# Altium PCB CSU RevB_ASCII.PcbDoc (part 1 of 5) (continued)
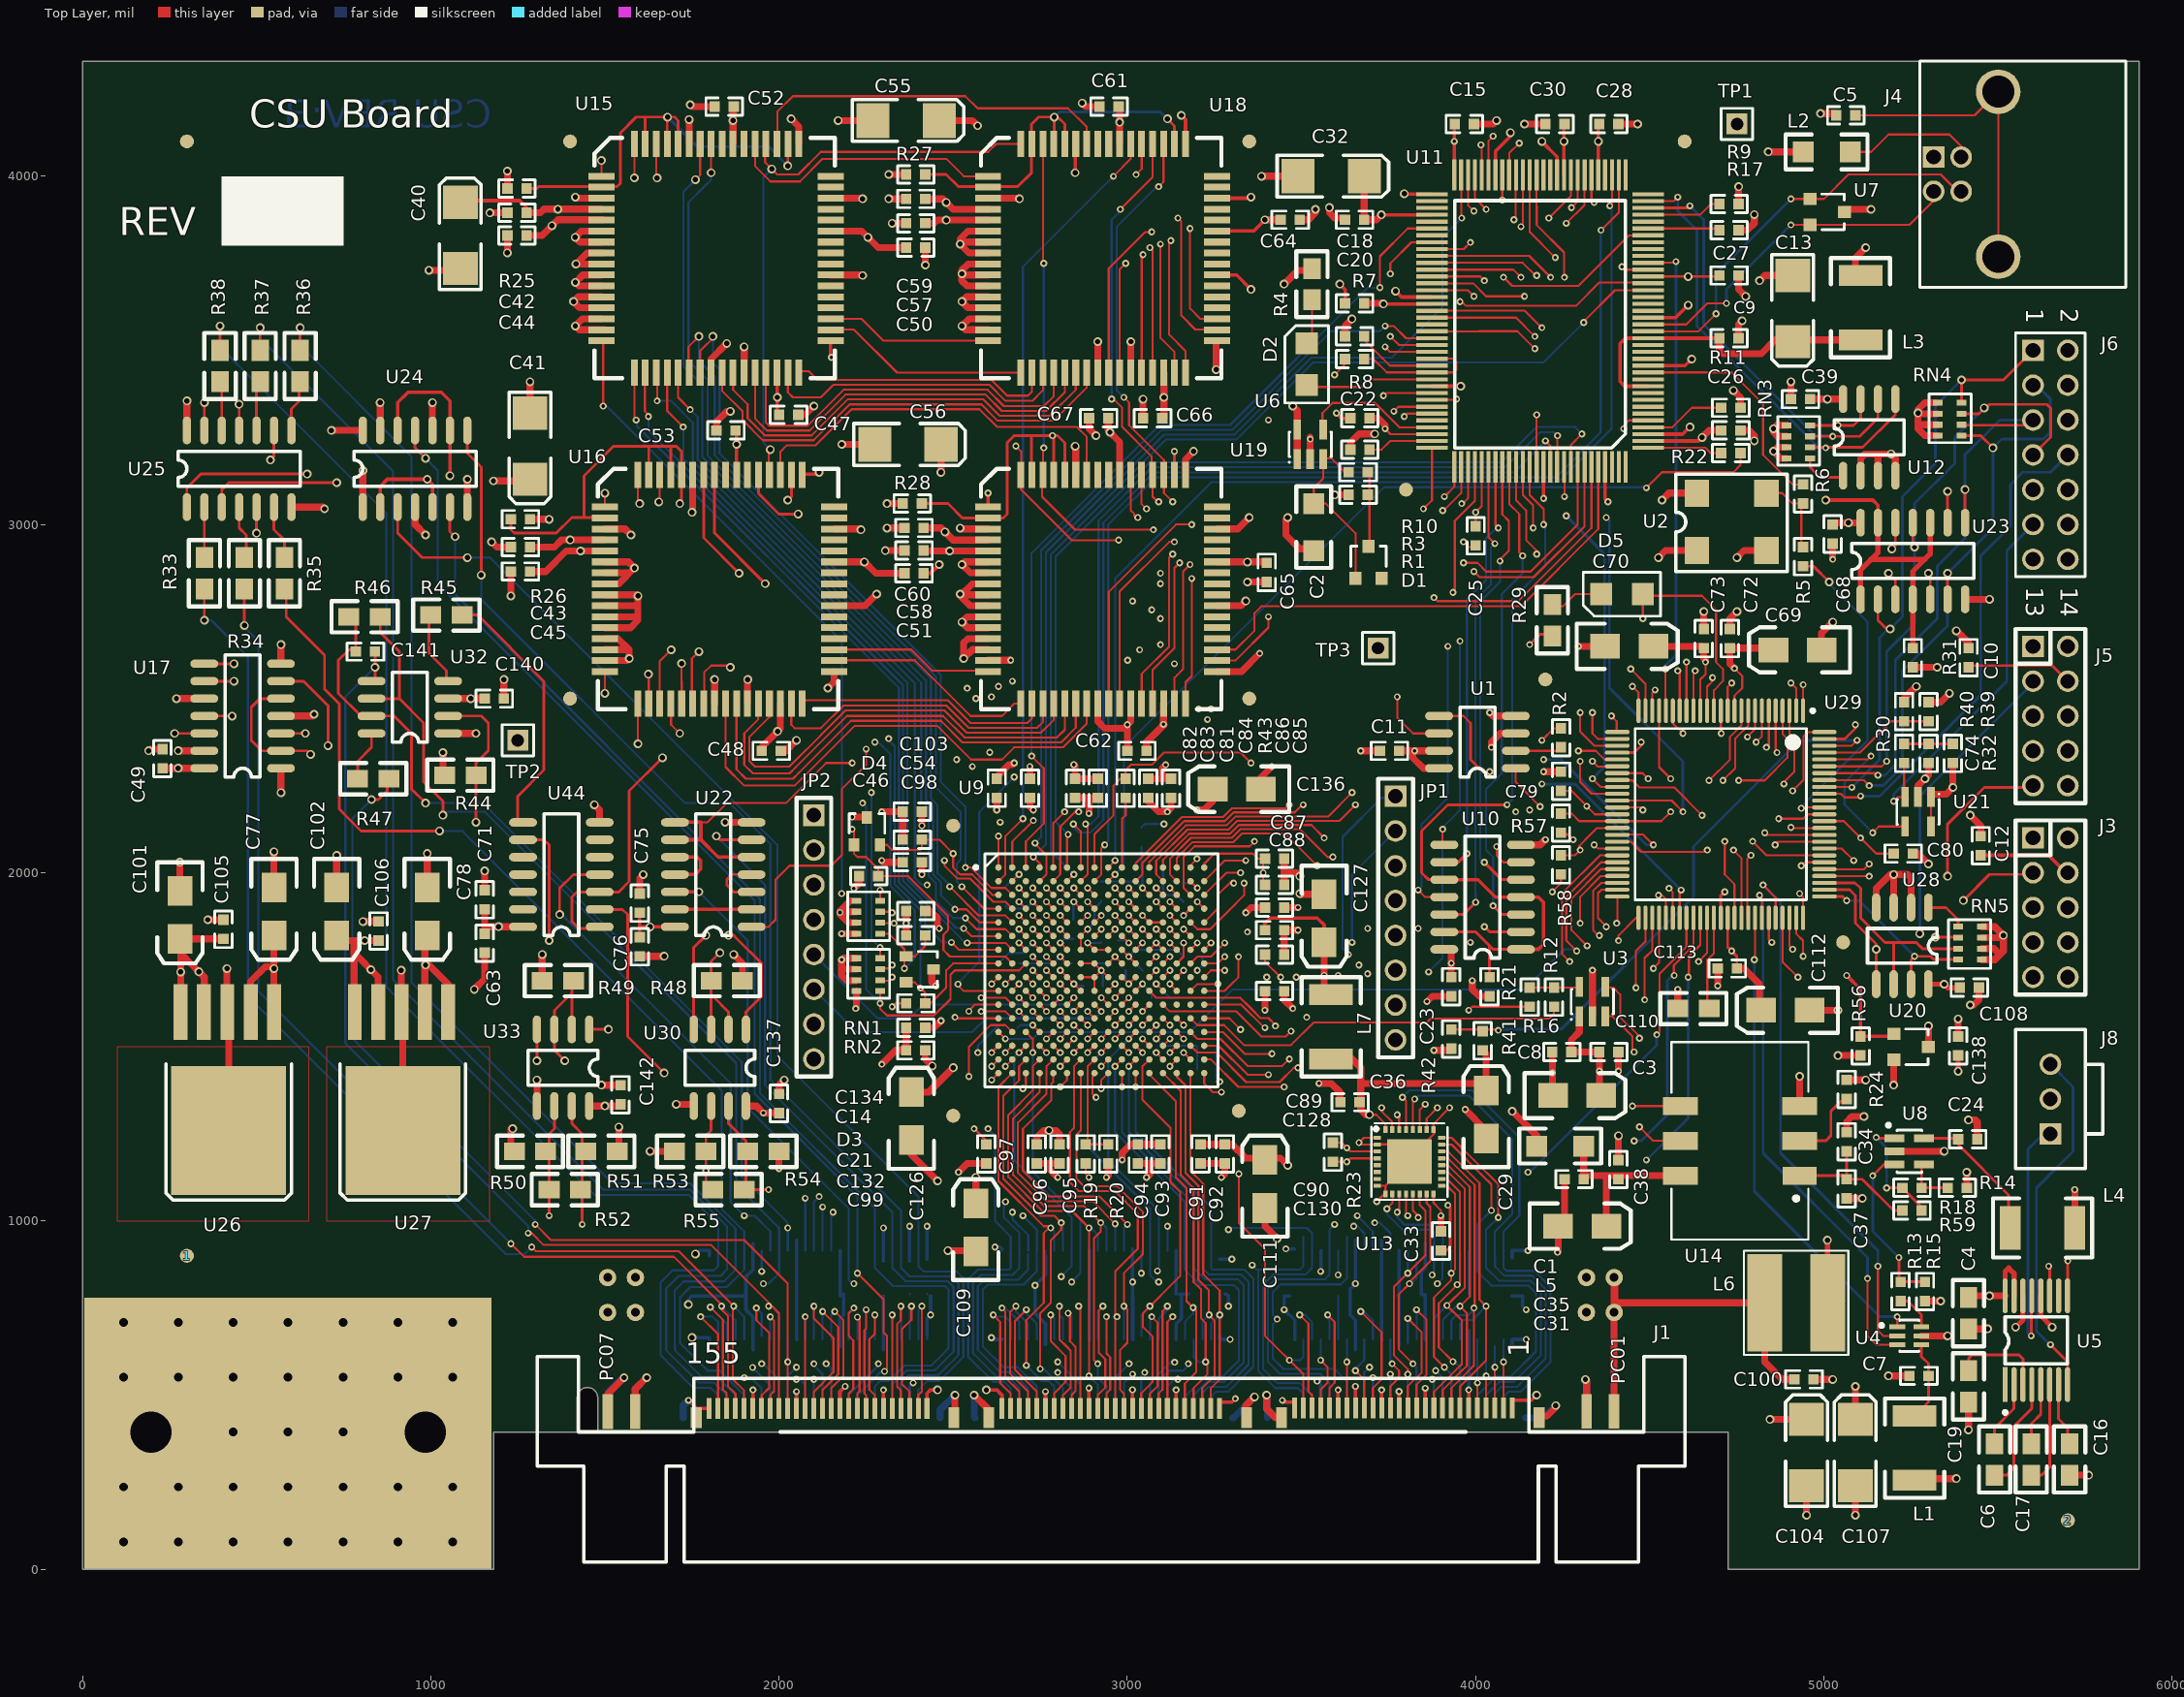
[diagram p0: Top Layer view]
## Components (designator, comment, footprint, x,y, rotation, side; value= is the part's Value field where it differs from the comment) (continued)
R20 "330R" 0603 2945,1165 r90 top
R21 "10K" 0603 4040,1700 r270 top
R22 "22R" 0603 4705,3205 r0 top
R23 "100R" 0603 3590,1170 r90 top
R24 "22R" 0603 5065,1405 r270 top
R25 "3K" 0603 1275,3965 r180 top
R26 "3K" 0603 1230,3015 r0 top
R27 "3K" 0603 2365,4005 r0 top
R28 "3K" 0603 2410,3060 r180 top
R29 "390R" 0805 4220,2770 r270 top
R30 "1K" 0603 5230,2315 r90 top
R31 "10K" 0603 5255,2645 r270 top
R32 "100K" 0603 5370,2315 r90 top
R33 "330R" 0805 350,2815 r90 top
R34 "330R" 0805 465,2815 r90 top
R35 "330R" 0805 580,2815 r90 top
R36 "330R" 0805 625,3500 r270 top
R37 "330R" 0805 510,3500 r270 top
R38 "330R" 0805 395,3500 r270 top
R39 "1K02" 0603 5300,2490 r270 top
R40 "1K78" 0603 5230,2435 r90 top
R41 "1K10" 0603 4020,1545 r270 top
R42 "1K02" 0603 3930,1495 r90 top
R43 "22R" 0603 2995,2215 r90 top
R44 "1K0" 0805 1130,2280 r180 top
R45 "150R" 0805 1000,2740 r0 top
R46 "1k0" 0805 855,2735 r180 top
R47 "150R" 0805 880,2270 r180 top
R48 "1K" 0805 1895,1690 r180 top
R49 "1K" 0805 1320,1690 r0 top
R50 "3K0" 0805 1240,1200 r0 top
R51 "3K0" 0805 1445,1200 r0 top
R52 "121R" 0805 1430,1090 r180 top
R53 "3K0" 0805 1700,1200 r0 top
R54 "3K0" 0805 1910,1200 r0 top
R55 "121R" 0805 1900,1090 r180 top
R56 "1K5" 0603 5105,1530 r270 top
R57 "1K5" 0603 4245,2170 r270 top
R58 "1K5" 0603 4245,2050 r270 top
R59 "1K" 0603 5280,1030 r180 top
RN1 "10K" EXB-38VN 2290,1825 r90 top
RN2 "1K" EXB-38VN 2290,1660 r90 top
RN3 "1K" EXB-38Vn 4960,3190 r90 top
RN4 "10K" EXB-38Vn 5395,3255 r90 top
RN5 "1K" EXB-38Vn 5385,1845 r270 top
TP1 "Test point" CON1 4750,4150 r0 top (schematic designator JP1)
TP2 "CON1" CON1 1250,2380 r0 top (schematic designator JP1)
TP3 "Test point" CON1 3720,2645 r0 top (schematic designator JP1)
U1 "EPCS4SI8" SO-8 4115,2300 r180 top (schematic designator U29)
U2 "24MHz, SMT 3.3V" SMT 4635,2925 r0 top (schematic designator U14)
U3 "FIN1002M5" RJ-5 4335,1630 r0 top
U4 "LTC2630A_LM12" SC-70 5245,670 r270 top
U5 "MAX3226ECAE(16-SSOP)" SSOP-16 5520,530 r180 top
U6 "TPS3836K33DBVT" RJ-5 3525,3230 r0 top
U7 "PGB102ST323WR" SOT23 4960,3935 r0 top (schematic designator U12)
U8 "LT6003CS5" RJ-5 5245,1200 r270 top
U9 "EP3C16F256C6" FBGA256-2C 2630,2015 r0 top locked
U10 "74ALVC125-DC" SO-14 4130,1780 r180 top (schematic designator U7)
U11 "CY7C68013A-128AXC" TQFP-128 4495,3220 r180 top
U12 "INA122" SO-8 5055,3140 r90 top (schematic designator U29)
U13 "CDCLVD110ARHBT" S-PVQFN-G32 3810,1170 r0 top (schematic designator U6)
U14 "C5310-D105-SV033-RFL-A1-100" G218B 4930,1130 r90 top
U15 "IDT72V2111L15PF" "TQFP 64" 1490,4000 r0 top (schematic designator U7)
U16 "72V2105" "TQFP 64" 1500,3050 r0 top (schematic designator U7)
U17 "74ALVC125-DC" SO-14 570,2300 r180 top (schematic designator U7)
U18 "IDT72V2111L15PF" "TQFP 64" 2600,4000 r0 top (schematic designator U7)
U19 "72V2105" "TQFP 64" 2600,3050 r0 top (schematic designator U7)
U20 "DS2411R" SOT-23 5250,1500 r270 top
U21 "TPS3836K33DBVT" RJ-5 5270,2175 r180 top
U22 "SN74LVC02A" SO-14 1921.14,1844.57 r180 top (schematic designator U7)
U23 "MC74HC125A" SO-14 5105,2785 r90 top (schematic designator U7)
U24 "74ALVC125-DC" SO-14 805,3050 r90 top (schematic designator U7)
U25 "74ALVC125-DC" SO-14 300,3050 r90 top (schematic designator U7)
U26 "LT1963AEQ#PBF" DDPAK5 550,1600 r180 top (schematic designator U6)
U27 "LT1963AEQ-2.5#PBF" DDPAK5 1050,1600 r180 top (schematic designator U6)
U28 "INA122" SO-8 5300,1900 r270 top (schematic designator U29)
U29 "MSP430F5438" S-PQFP-G100 4940,2465 r0 top
U30 "SN65HVD08" SO-8 1905,1550 r270 top (schematic designator U29)
U32 "INA122" SO-8 1050,2400 r180 top (schematic designator U29)
U33 "INA122" SO-8 1455,1550 r270 top (schematic designator U29)
U44 "74ALVC125-DC" SO-14 1484.96,1844.57 r180 top (schematic designator U7)
? "" fid 300,4100 r0 top

## Footprints (in the part's own frame and the unit in brackets; to place one, negate y for a bottom-side part, rotate by r counter-clockwise, add the part's x,y. Pads: shape width x height; smd on the part's side, far side on the other; paste and mask are expansions set on the pad)
0603 [mil]
  rect 30x30 smd: 1(0,-0.01) 2(55,-0.01)
  silkscreen extent -25,-25 80,25
0805 [mil]
  rect 60x50 smd: 1(0,0) 2(90,0)
  silkscreen extent -50,-45 140,45
1206 [mil]
  rect 60x60 smd: 1(0,0) 2(135,0)
  silkscreen extent -50,-50 185,50
1812 [mil]
  rect 60x125 smd: 1(0.12,-0.04) 2(185.12,-0.04)
  silkscreen extent -50,-85 235,85
B-Size [mil]
  rect 95x100 smd: 1(0,0) 2(190,0)
  silkscreen extent -70,-60 250,60
BAT54C-V [mil]
  rect 30x37 smd: 1(0,0) 2(74.8,0) 3(37.4,78.74)
  silkscreen extent -14,34 89,90
CON1 [mil]
  rect 60x60 hole 36: 1(0,0)
  silkscreen extent -45,-45 45,45
DDPAK5 [mil]
  rect 40x160 smd: 1(0,-0.29) 2(67,-0.29) 3(134,-0.29) 4(201,-0.29) 5(268,-0.29)
  rect 330x370 smd: ""(130,339.72)
  silkscreen extent -50,150 310,540
EXB-38VN [mil]
  rect 17x28 smd: 1(0,-0.01) 2(31.5,-0.01) 3(62.99,-0.01) 4(94.49,-0.01) 5(94.49,68) 6(62.99,68) 7(31.5,68) 8(0,68)
  silkscreen extent -20,-28 120,93
EXB-38Vn [mil]
  rect 17x28 smd: 1(0,-0.01) 2(31.5,-0.01) 3(62.99,-0.01) 4(94.49,-0.01) 5(94.49,68) 6(62.99,68) 7(31.5,68) 8(0,68)
  silkscreen extent -20,-28 120,93
FBGA256-2C [mm] "256-Ball FineLine Ball Grid Array (FBGA256) - Option 1"
  round 0.47 smd: A1(0,0) A2(1,0) A3(2,0) A4(3,0) A5(4,0) A6(5,0) A7(6,0) A8(7,0) A9(8,0) A10(9,0) A11(10,0) A12(11,0) A13(12,0) A14(13,0) A15(14,0) A16(15,0) B1(0,-1) B2(1,-1) B3(2,-1) B4(3,-1) B5(4,-1) B6(5,-1) B7(6,-1) B8(7,-1) B9(8,-1) B10(9,-1) B11(10,-1) B12(11,-1) B13(12,-1) B14(13,-1) B15(14,-1) B16(15,-1) C1(0,-2) C2(1,-2) C3(2,-2) C4(3,-2) C5(4,-2) C6(5,-2) C7(6,-2) C8(7,-2) C9(8,-2) C10(9,-2) C11(10,-2) C12(11,-2) C13(12,-2) C14(13,-2) C15(14,-2) C16(15,-2) D1(0,-3) D2(1,-3) D3(2,-3) D4(3,-3) D5(4,-3) D6(5,-3) D7(6,-3) D8(7,-3) D9(8,-3) D10(9,-3) D11(10,-3) D12(11,-3) D13(12,-3) D14(13,-3) D15(14,-3) D16(15,-3) E1(0,-4) E2(1,-4) E3(2,-4) E4(3,-4) E5(4,-4) E6(5,-4) E7(6,-4) E8(7,-4) E9(8,-4) E10(9,-4) E11(10,-4) E12(11,-4) E13(12,-4) E14(13,-4) E15(14,-4) E16(15,-4) F1(0,-5) F2(1,-5) F3(2,-5) F4(3,-5) F5(4,-5) F6(5,-5) F7(6,-5) F8(7,-5) F9(8,-5) F10(9,-5) F11(10,-5) F12(11,-5) F13(12,-5) F14(13,-5) F15(14,-5) F16(15,-5) G1(0,-6) G2(1,-6) G3(2,-6) G4(3,-6) G5(4,-6) G6(5,-6) G7(6,-6) G8(7,-6) G9(8,-6) G10(9,-6) G11(10,-6) G12(11,-6) G13(12,-6) G14(13,-6) G15(14,-6) G16(15,-6) H1(0,-7) H2(1,-7) H3(2,-7) H4(3,-7) H5(4,-7) H6(5,-7) H7(6,-7) H8(7,-7) H9(8,-7) H10(9,-7) H11(10,-7) H12(11,-7) H13(12,-7) H14(13,-7) H15(14,-7) H16(15,-7) J1(0,-8) J2(1,-8) J3(2,-8) J4(3,-8) J5(4,-8) J6(5,-8) J7(6,-8) J8(7,-8) J9(8,-8) J10(9,-8) J11(10,-8) J12(11,-8) J13(12,-8) J14(13,-8) J15(14,-8) J16(15,-8) K1(0,-9) K2(1,-9) K3(2,-9) K4(3,-9) K5(4,-9) K6(5,-9) K7(6,-9) K8(7,-9) K9(8,-9) K10(9,-9) K11(10,-9) K12(11,-9) K13(12,-9) K14(13,-9) K15(14,-9) K16(15,-9) L1(0,-10) L2(1,-10) L3(2,-10) L4(3,-10) L5(4,-10) L6(5,-10) L7(6,-10) L8(7,-10) L9(8,-10) L10(9,-10) L11(10,-10) L12(11,-10) L13(12,-10) L14(13,-10) L15(14,-10) L16(15,-10) M1(0,-11) M2(1,-11) M3(2,-11) M4(3,-11) M5(4,-11) M6(5,-11) M7(6,-11) M8(7,-11) M9(8,-11) M10(9,-11) M11(10,-11) M12(11,-11) M13(12,-11) M14(13,-11) M15(14,-11) M16(15,-11) N1(0,-12) N2(1,-12) N3(2,-12) N4(3,-12) N5(4,-12) N6(5,-12) N7(6,-12) N8(7,-12) N9(8,-12) N10(9,-12) N11(10,-12) N12(11,-12) N13(12,-12) N14(13,-12) N15(14,-12) N16(15,-12) P1(0,-13) P2(1,-13) P3(2,-13) P4(3,-13) P5(4,-13) P6(5,-13) P7(6,-13) P8(7,-13) P9(8,-13) P10(9,-13) P11(10,-13) P12(11,-13) P13(12,-13) P14(13,-13) P15(14,-13) P16(15,-13) R1(0,-14) R2(1,-14) R3(2,-14) R4(3,-14) R5(4,-14) R6(5,-14) R7(6,-14) R8(7,-14) R9(8,-14) R10(9,-14) R11(10,-14) R12(11,-14) R13(12,-14) R14(13,-14) R15(14,-14) R16(15,-14) T1(0,-15) T2(1,-15) T3(2,-15) T4(3,-15) T5(4,-15) T6(5,-15) T7(6,-15) T8(7,-15) T9(8,-15) T10(9,-15) T11(10,-15) T12(11,-15) T13(12,-15) T14(13,-15) T15(14,-15) T16(15,-15)
  silkscreen extent -1.77,-16 16,1
fid [mil]
  round 40 smd: ""(0,0)
G218B [mil]
  rect 51.18x98.43 smd: 1(0,0)
  rect 52x100 smd: 2(100,0) 3(200,0) 4(200,342.52) 5(100,342.52) 6(0,342.52)
  silkscreen extent -183,-26 383,368
HDR2X7 [mil] "Connector; Header; 7x2 Position"
  rect 62x62 hole 42: 1(0,0)
  round 62 hole 42: 2(0,100) 3(100,0) 4(100,100) 5(200,0) 6(200,100) 7(300,0) 8(300,100) 9(400,0) 10(400,100) 11(500,0) 12(500,100) 13(600,0) 14(600,100)
  silkscreen extent -50,-50 650,150
HEADER5X2 [mil]
  rect 62x62 hole 42: 1(0,0)
  round 62 hole 42: 2(0,100) 3(100,0) 4(100,100) 5(200,0) 6(200,100) 7(300,0) 8(300,100) 9(400,0) 10(400,100)
  silkscreen extent -50,-50 450,150
HEADER8X1 [mil]
  rect 62x62 hole 42: 1(0,0)
  round 62 hole 42: 2(-100,0) 3(-200,0) 4(-300,0) 5(-400,0) 6(-500,0) 7(-600,0) 8(-700,0)
  silkscreen extent -750,-50 50,50
"LED J-LEAD" [mm]
  rect 1.6x1.6 smd: A(0,0) K(3.04,0)
  silkscreen extent -1.3,-1.6 4.34,1.6
"Molex 70543-0002" [mil]
  rect 62x62 hole 42: 1(0,0)
  round 62 hole 42: 2(0,-100) 3(0,-200)
  silkscreen extent -150,-300 100,100
MSS7341 [mil]
  rect 280x100 smd: 1(0,0) 2(0,-181)
  silkscreen extent -150,-240 150,60
"QMS EDGE PWR PINS" [mil] "78 pos (156 pin) + 8 pwr pins"
  rect 60x14 smd: 1(69.15,-1152.45) 3(69.15,-1127.45) 5(69.15,-1102.45) 7(69.15,-1077.45) 9(69.15,-1052.45) 11(69.15,-1027.45) 13(69.15,-1002.45) 15(69.15,-977.45) 17(69.15,-952.45) 19(69.15,-927.45) 21(69.15,-902.45) 23(69.15,-877.45) 25(69.15,-852.45) 27(69.15,-827.45) 29(69.15,-802.45) 31(69.15,-777.45) 33(69.15,-752.45) 35(69.15,-727.45) 37(69.15,-702.45) 39(69.15,-677.45) 41(69.15,-652.45) 43(69.15,-627.45) 45(69.15,-602.45) 47(69.15,-577.45) 49(69.15,-552.45) 51(69.15,-527.45) 53(68.09,-312.11) 55(68.09,-287.11) 57(68.09,-262.11) 59(68.09,-237.11) 61(68.09,-212.11) 63(68.09,-187.11) 65(68.09,-162.11) 67(68.09,-137.11) 69(68.09,-112.11) 71(68.09,-87.11) 73(68.09,-62.11) 75(68.09,-37.11) 77(68.09,-12.11) 79(68.09,12.89) 81(68.09,37.89) 83(68.09,62.89) 85(68.09,87.89) 87(68.09,112.89) 89(68.09,137.89) 91(68.09,162.89) 93(68.09,187.89) 95(68.09,212.89) 97(68.09,237.89) 99(68.09,262.89) 101(68.09,287.89) 103(68.09,312.89) 105(68.09,528.05) 107(68.09,553.05) 109(68.09,578.05) 111(68.09,603.05) 113(68.09,628.05) 115(68.09,653.05) 117(68.09,678.05) 119(68.09,703.05) 121(68.09,728.05) 123(68.09,753.05) 125(68.09,778.05) 127(68.09,803.05) 129(68.09,828.05) 131(68.09,853.05) 133(68.09,878.05) 135(68.09,903.05) 137(68.09,928.05) 139(68.09,953.05) 141(68.09,978.05) 143(68.09,1003.05) 145(68.09,1028.05) 147(68.09,1053.05) 149(68.09,1078.05) 151(68.09,1103.05) 153(68.09,1128.05) 155(68.09,1153.05)
  rect 60x14 smd far side: 2(69.15,-1152.45) 4(69.15,-1127.45) 6(69.15,-1102.45) 8(69.15,-1077.45) 10(69.15,-1052.45) 12(69.15,-1027.45) 14(69.15,-1002.45) 16(69.15,-977.45) 18(69.15,-952.45) 20(69.15,-927.45) 22(69.15,-902.45) 24(69.15,-877.45) 26(69.15,-852.45) 28(69.15,-827.45) 30(69.15,-802.45) 32(69.15,-777.45) 34(69.15,-752.45) 36(69.15,-727.45) 38(69.15,-702.45) 40(69.15,-677.45) 42(69.15,-652.45) 44(69.15,-627.45) 46(69.15,-602.45) 48(69.15,-577.45) 50(69.15,-552.45) 52(69.15,-527.45) 54(68.09,-312.11) 56(68.09,-287.11) 58(68.09,-262.11) 60(68.09,-237.11) 62(68.09,-212.11) 64(68.09,-187.11) 66(68.09,-162.11) 68(68.09,-137.11) 70(68.09,-112.11) 72(68.09,-87.11) 74(68.09,-62.11) 76(68.09,-37.11) 78(68.09,-12.11) 80(68.09,12.89) 82(68.09,37.89) 84(68.09,62.89) 86(68.09,87.89) 88(68.09,112.89) 90(68.09,137.89) 92(68.09,162.89) 94(68.09,187.89) 96(68.09,212.89) 98(68.09,237.89) 100(68.09,262.89) 102(68.09,287.89) 104(68.09,312.89) 106(68.09,528.05) 108(68.09,553.05) 110(68.09,578.05) 112(68.09,603.05) 114(68.09,628.05) 116(68.09,653.05) 118(68.09,678.05) 120(68.09,703.05) 122(68.09,728.05) 124(68.09,753.05) 126(68.09,778.05) 128(68.09,803.05) 130(68.09,828.05) 132(68.09,853.05) 134(68.09,878.05) 136(68.09,903.05) 138(68.09,928.05) 140(68.09,953.05) 142(68.09,978.05) 144(68.09,1003.05) 146(68.09,1028.05) 148(68.09,1053.05) 150(68.09,1078.05) 152(68.09,1103.05) 154(68.09,1128.05) 156(68.09,1153.05)
  rect 60x31 smd far side: 157(41.09,1230.55) 158(41.09,490.55) 159(41.09,390.55) 160(41.09,-349.45) 161(41.09,-449.45) 162(41.09,-1189.45)
  rect 60x31 smd: 157(41.09,1190.55) 158(41.09,450.55) 159(41.09,350.55) 161(41.09,-489.45) 162(41.09,-1229.45) 163(41.09,-389.45)
  rect 100x30 smd: PC01(59.65,-1444.45) PC03(59.65,-1365.55) PC05(59.15,1365.55) PC07(59.15,1444.45)
  rect 100x30 smd far side: PC02(59.65,-1444.45) PC04(59.65,-1365.55) PC06(59.15,1365.55) PC08(59.15,1444.45)
  silkscreen extent -373,-1649 217,1647
"QMS SMD PWR PINS" [mm] "78 pos (156 pin) + 8 pwr pins"
  rect 0.4x2.15 smd: 1(-29.28,-3.24) 2(-29.28,3.24) 3(-28.645,-3.24) 4(-28.645,3.24) 5(-28.01,-3.24) 6(-28.01,3.24) 7(-27.375,-3.24) 8(-27.375,3.24) 9(-26.74,-3.24) 10(-26.74,3.24) 11(-26.105,-3.24) 12(-26.105,3.24) 13(-25.47,-3.24) 14(-25.47,3.24) 15(-24.835,-3.24) 16(-24.835,3.24) 17(-24.2,-3.24) 18(-24.2,3.24) 19(-23.565,-3.24) 20(-23.565,3.24) 21(-22.93,-3.24) 22(-22.93,3.24) 23(-22.295,-3.24) 24(-22.295,3.24) 25(-21.66,-3.24) 26(-21.66,3.24) 27(-21.025,-3.24) 28(-21.025,3.24) 29(-20.39,-3.24) 30(-20.39,3.24) 31(-19.755,-3.24) 32(-19.755,3.24) 33(-19.12,-3.24) 34(-19.12,3.24) 35(-18.485,-3.24) 36(-18.485,3.24) 37(-17.85,-3.24) 38(-17.85,3.24) 39(-17.215,-3.24) 40(-17.215,3.24) 41(-16.58,-3.24) 42(-16.58,3.24) 43(-15.945,-3.24) 44(-15.945,3.24) 45(-15.31,-3.24) 46(-15.31,3.24) 47(-14.675,-3.24) 48(-14.675,3.24) 49(-14.04,-3.24) 50(-14.04,3.24) 51(-13.405,-3.24) 52(-13.405,3.24) 53(-7.94,-3.24) 54(-7.94,3.24) 55(-7.305,-3.24) 56(-7.305,3.24) 57(-6.67,-3.24) 58(-6.67,3.24) 59(-6.035,-3.24) 60(-6.035,3.24) 61(-5.4,-3.24) 62(-5.4,3.24) 63(-4.765,-3.24) 64(-4.765,3.24) 65(-4.13,-3.24) 66(-4.13,3.24) 67(-3.495,-3.24) 68(-3.495,3.24) 69(-2.86,-3.24) 70(-2.86,3.24) 71(-2.225,-3.24) 72(-2.225,3.24) 73(-1.59,-3.24) 74(-1.59,3.24) 75(-0.955,-3.24) 76(-0.955,3.24) 77(-0.32,-3.24) 78(-0.32,3.24) 79(0.315,-3.24) 80(0.315,3.24) 81(0.95,-3.24) 82(0.95,3.24) 83(1.585,-3.24) 84(1.585,3.24) 85(2.22,-3.24) 86(2.22,3.24) 87(2.855,-3.24) 88(2.855,3.24) 89(3.49,-3.24) 90(3.49,3.24) 91(4.125,-3.24) 92(4.125,3.24) 93(4.76,-3.24) 94(4.76,3.24) 95(5.395,-3.24) 96(5.395,3.24) 97(6.03,-3.24) 98(6.03,3.24) 99(6.665,-3.24) 100(6.665,3.24) 101(7.3,-3.24) 102(7.3,3.24) 103(7.935,-3.24) 104(7.935,3.24) 105(13.4,-3.24) 106(13.4,3.24) 107(14.035,-3.24) 108(14.035,3.24) 109(14.67,-3.24) 110(14.67,3.24) 111(15.305,-3.24) 112(15.305,3.24) 113(15.94,-3.24) 114(15.94,3.24) 115(16.575,-3.24) 116(16.575,3.24) 117(17.21,-3.24) 118(17.21,3.24) 119(17.845,-3.24) 120(17.845,3.24) 121(18.48,-3.24) 122(18.48,3.24) 123(19.115,-3.24) 124(19.115,3.24) 125(19.75,-3.24) 126(19.75,3.24) 127(20.385,-3.24) 128(20.385,3.24) 129(21.02,-3.24) 130(21.02,3.24) 131(21.655,-3.24) 132(21.655,3.24) 133(22.29,-3.24) 134(22.29,3.24) 135(22.925,-3.24) 136(22.925,3.24) 137(23.56,-3.24) 138(23.56,3.24) 139(24.195,-3.24) 140(24.195,3.24) 141(24.83,-3.24) 142(24.83,3.24) 143(25.465,-3.24) 144(25.465,3.24) 145(26.1,-3.24) 146(26.1,3.24) 147(26.735,-3.24) 148(26.735,3.24) 149(27.37,-3.24) 150(27.37,3.24) 151(28.005,-3.24) 152(28.005,3.24) 153(28.64,-3.24) 154(28.64,3.24) 155(29.275,-3.24) 156(29.275,3.24)
  rect 17.958x0.5 smd: 157(-21.34,0) 158(0,0) 159(21.34,0)
  round 1.27 hole 0.635: PC01(-36.703,-1.27) PC02(-36.703,1.27) PC03(-34.671,-1.27) PC04(-34.684,1.27) PC05(34.671,-1.27) PC06(34.671,1.27) PC07(36.703,-1.27) PC08(36.703,1.27)
  silkscreen extent -38.16,-4.65 38.15,4.32
RJ-5 [mm] "SOT-23/SC-74A; 5 Leads; Body 3.1 x 3 mm, inc. leads (LxW max)"
  rect 0.55x1.45 smd: 1(-0.95,-1.075) 2(0,-1.075) 3(0.95,-1.075) 4(0.95,1.075) 5(-0.95,1.075)
  silkscreen extent -1.57,-1.35 1.55,0.9
S-PQFP-G100 [mm]
  oval 0.3x1.8 smd: 1(0,0) 2(-0.5,0) 3(-1,0) 4(-1.5,0) 5(-2,0) 6(-2.5,0) 7(-3,0) 8(-3.5,0) 9(-4,0) 10(-4.5,0) 11(-5,0) 12(-5.5,0) 13(-6,0) 14(-6.5,0) 15(-7,0) 16(-7.5,0) 17(-8,0) 18(-8.5,0) 19(-9,0) 20(-9.5,0) 21(-10,0) 22(-10.5,0) 23(-11,0) 24(-11.5,0) 25(-12,0) 51(-12,-15.1) 52(-11.5,-15.1) 53(-11,-15.1) 54(-10.5,-15.1) 55(-10,-15.1) 56(-9.5,-15.1) 57(-9,-15.1) 58(-8.5,-15.1) 59(-8,-15.1) 60(-7.5,-15.1) 61(-7,-15.1) 62(-6.5,-15.1) 63(-6,-15.1) 64(-5.5,-15.1) 65(-5,-15.1) 66(-4.5,-15.1) 67(-4,-15.1) 68(-3.5,-15.1) 69(-3,-15.1) 70(-2.5,-15.1) 71(-2,-15.1) 72(-1.5,-15.1) 73(-1,-15.1) 74(-0.5,-15.1) 75(0,-15.1)
  oval 1.8x0.3 smd: 26(-13.55,-1.55) 27(-13.55,-2.05) 28(-13.55,-2.55) 29(-13.55,-3.05) 30(-13.55,-3.55) 31(-13.55,-4.05) 32(-13.55,-4.55) 33(-13.55,-5.05) 34(-13.55,-5.55) 35(-13.55,-6.05) 36(-13.55,-6.55) 37(-13.55,-7.05) 38(-13.55,-7.55) 39(-13.55,-8.05) 40(-13.55,-8.55) 41(-13.55,-9.05) 42(-13.55,-9.55) 43(-13.55,-10.05) 44(-13.55,-10.55) 45(-13.55,-11.05) 46(-13.55,-11.55) 47(-13.55,-12.05) 48(-13.55,-12.55) 49(-13.55,-13.05) 50(-13.55,-13.55) 76(1.55,-13.55) 77(1.55,-13.05) 78(1.55,-12.55) 79(1.55,-12.05) 80(1.55,-11.55) 81(1.55,-11.05) 82(1.55,-10.55) 83(1.55,-10.05) 84(1.55,-9.55) 85(1.55,-9.05) 86(1.55,-8.55) 87(1.55,-8.05) 88(1.55,-7.55) 89(1.55,-7.05) 90(1.55,-6.55) 91(1.55,-6.05) 92(1.55,-5.55) 93(1.55,-5.05) 94(1.55,-4.55) 95(1.55,-4.05) 96(1.55,-3.55) 97(1.55,-3.05) 98(1.55,-2.55) 99(1.55,-2.05) 100(1.55,-1.55)
  silkscreen extent -12.25,-13.8 0.82,0.12
S-PVQFN-G32 [mm]
  rect 0.5x0.3 smd: 1(-2.35,1.75) 2(-2.35,1.25) 3(-2.35,0.75) 4(-2.35,0.25) 5(-2.35,-0.25) 6(-2.35,-0.75) 7(-2.35,-1.25) 8(-2.35,-1.75) 17(2.35,-1.75) 18(2.35,-1.25) 19(2.35,-0.75) 20(2.35,-0.25) 21(2.35,0.25) 22(2.35,0.75) 23(2.35,1.25) 24(2.35,1.75)
  rect 0.3x0.5 smd: 9(-1.75,-2.35) 10(-1.25,-2.35) 11(-0.75,-2.35) 12(-0.25,-2.35) 13(0.25,-2.35) 14(0.75,-2.35) 15(1.25,-2.35) 16(1.75,-2.35) 25(1.75,2.35) 26(1.25,2.35) 27(0.75,2.35) 28(0.25,2.35) 29(-0.25,2.35) 30(-0.75,2.35) 31(-1.25,2.35) 32(-1.75,2.35)
  rect 3.25x3.25 smd: T_PAD(0,0)
  silkscreen extent -2.78,-2.78 2.78,2.8
SC-70 [mm] "SOT-353/SC-88A; 5 Leads; Body 2.2 x 2.4 mm, inc. leads (LxW max)"
  rect 0.35x1.15 smd: 1(-0.65,-0.875) 2(0,-0.875) 3(0.65,-0.875) 4(0.65,0.875) 5(0,0.875) 6(-0.65,0.875)
  silkscreen extent -1.15,-2.16 1.15,0.7
"size a" [mil]
  rect 85x71 smd: 1(0,0) 2(138,0)
  silkscreen extent -70,-65 220,65
"Size B" [mil]
  rect 95x100 smd: 1(-0.15,-0.22) 2(189.85,-0.22)
  silkscreen extent -70,-60 250,60
SMT [mil]
  rect 70x78 smd: 1(-0.06,0) 2(199.94,0) 3(199.94,165) 4(-0.06,165)
  silkscreen extent -60,-60 260,220
SO-8 [mil]
  oval 80x24 smd: 1(0,0) 2(0,-50) 3(0,-100) 4(0,-150) 5(220,-150) 6(220,-100) 7(220,-50) 8(220,0)
  silkscreen extent 60,-175 160,25
SO-14 [mil]
  oval 80x24 smd: 1(0,0) 2(0,-50) 3(0,-100) 4(0,-150) 5(0,-200) 6(0,-250) 7(0,-300) 8(220,-300) 9(220,-250) 10(220,-200) 11(220,-150) 12(220,-100) 13(220,-50) 14(220,0)
  silkscreen extent 60,-325 160,25
SOT23 [mm]
  rect 0.95x0.9 smd: 1(0,0) 2(0,-1.9) 3(2.5,-0.95)
  silkscreen extent 0.87,-2.25 2.5,0.35
SOT23A [mm]
  rect 0.9x0.95 smd: 1(0,0) 2(1.9,0) 3(0.95,2.35)
  silkscreen extent -0.35,0.87 2.25,2.35
SOT-23 [mm]
  rect 0.9x0.95 smd: 1(-0.95,-1.25) 2(0.95,-1.25) 3(0,1.25)
  silkscreen extent -1.3,-0.38 1.3,1.25
SSOP-16 [mil]
  rect 15x100 smd: 1(0,0)
  oval 15x100 smd: 2(-25.59,0) 3(-51.18,0) 4(-76.77,0) 5(-102.36,0) 6(-127.95,0) 7(-153.54,0) 8(-179.13,0) 9(-179.13,-255) 10(-153.54,-255) 11(-127.95,-255) 12(-102.36,-255) 13(-76.77,-255) 14(-51.18,-255) 15(-25.59,-255) 16(0,-255)
  silkscreen extent -179,-195 5,85
"TQFP 64" [mm]
  rect 1.905x0.5 smd: 1(0,0) 2(0,-0.8) 3(0,-1.6) 4(0,-2.4) 5(0,-3.2) 6(0,-4) 7(0,-4.8) 8(0,-5.6) 9(0,-6.4) 10(0,-7.2) 11(0,-8) 12(0,-8.8) 13(0,-9.6) 14(0,-10.4) 15(0,-11.2) 16(0,-12) 33(16.713,-12) 34(16.713,-11.2) 35(16.713,-10.4) 36(16.713,-9.6) 37(16.713,-8.8) 38(16.713,-8) 39(16.713,-7.2) 40(16.713,-6.4) 41(16.713,-5.6) 42(16.713,-4.8) 43(16.713,-4) 44(16.713,-3.2) 45(16.713,-2.4) 46(16.713,-1.6) 47(16.713,-0.8) 48(16.713,0)
  rect 0.5x1.905 smd: 17(2.4,-14.326) 18(3.2,-14.326) 19(4,-14.326) 20(4.8,-14.326) 21(5.6,-14.326) 22(6.4,-14.326) 23(7.2,-14.326) 24(8,-14.326) 25(8.8,-14.326) 26(9.6,-14.326) 27(10.4,-14.326) 28(11.2,-14.326) 29(12,-14.326) 30(12.8,-14.326) 31(13.6,-14.326) 32(14.4,-14.326) 49(14.4,2.362) 50(13.6,2.362) 51(12.8,2.362) 52(12,2.362) 53(11.2,2.362) 54(10.4,2.362) 55(9.6,2.362) 56(8.8,2.362) 57(8,2.362) 58(7.2,2.362) 59(6.4,2.362) 60(5.6,2.362) 61(4.8,2.362) 62(4,2.362) 63(3.2,2.362) 64(2.4,2.362)
  silkscreen extent -0.51,-14.73 17.02,2.79
TQFP-128 [mm]
  rect 2.286x0.3 smd: 1(0,0) 2(0,-0.5) 3(0,-1) 4(0,-1.5) 5(0,-2) 6(0,-2.5) 7(0,-3) 8(0,-3.5) 9(0,-4) 10(0,-4.5) 11(0,-5) 12(0,-5.5) 13(0,-6) 14(0,-6.5) 15(0,-7) 16(0,-7.5) 17(0,-8) 18(0,-8.5) 19(0,-9) 20(0,-9.5) 21(0,-10) 22(0,-10.5) 23(0,-11) 24(0,-11.5) 25(0,-12) 26(0,-12.5) 27(0,-13) 28(0,-13.5) 29(0,-14) 30(0,-14.5) 31(0,-15) 32(0,-15.5) 33(0,-16) 34(0,-16.5) 35(0,-17) 36(0,-17.5) 37(0,-18) 38(0,-18.5) 65(15.762,-18.5) 66(15.762,-18) 67(15.762,-17.5) 68(15.762,-17) 69(15.762,-16.5) 70(15.762,-16) 71(15.762,-15.5) 72(15.762,-15) 73(15.762,-14.5) 74(15.762,-14) 75(15.762,-13.5) 76(15.762,-13) 77(15.762,-12.5) 78(15.762,-12) 79(15.762,-11.5) 80(15.762,-11) 81(15.762,-10.5) 82(15.762,-10) 83(15.762,-9.5) 84(15.762,-9) 85(15.762,-8.5) 86(15.762,-8) 87(15.762,-7.5) 88(15.762,-7) 89(15.762,-6.5) 90(15.762,-6) 91(15.762,-5.5) 92(15.762,-5) 93(15.762,-4.5) 94(15.762,-4) 95(15.762,-3.5) 96(15.762,-3) 97(15.762,-2.5) 98(15.762,-2) 99(15.762,-1.5) 100(15.762,-1) 101(15.762,-0.5) 102(15.762,0)
  rect 0.3x2.286 smd: 39(1.631,-19.906) 40(2.131,-19.906) 41(2.631,-19.906) 42(3.131,-19.906) 43(3.631,-19.906) 44(4.131,-19.906) 45(4.631,-19.906) 46(5.131,-19.906) 47(5.631,-19.906) 48(6.131,-19.906) 49(6.631,-19.906) 50(7.131,-19.906) 51(7.631,-19.906) 52(8.131,-19.906) 53(8.631,-19.906) 54(9.131,-19.906) 55(9.631,-19.906) 56(10.131,-19.906) 57(10.631,-19.906) 58(11.131,-19.906) 59(11.631,-19.906) 60(12.131,-19.906) 61(12.631,-19.906) 62(13.131,-19.906) 63(13.631,-19.906) 64(14.131,-19.906) 103(14.131,1.381) 104(13.631,1.381) 105(13.131,1.381) 106(12.631,1.381) 107(12.131,1.381) 108(11.631,1.381) 109(11.131,1.381) 110(10.631,1.381) 111(10.131,1.381) 112(9.631,1.381) 113(9.131,1.381) 114(8.631,1.381) 115(8.131,1.381) 116(7.631,1.381) 117(7.131,1.381) 118(6.631,1.381) 119(6.131,1.381) 120(5.631,1.381) 121(5.131,1.381) 122(4.631,1.381) 123(4.131,1.381) 124(3.631,1.381) 125(3.131,1.381) 126(2.631,1.381) 127(2.131,1.381) 128(1.631,1.381)
  silkscreen extent 1.65,-18.03 14.1,0
"USB_B right angle" [mil]
  rect 62x62 hole 42: 1(0,0)
  round 62 hole 42: 2(-98.42,0) 3(-98.42,-78.74) 4(0,-78.74)
  round 128 hole 92: E1(-286.22,-185.43) E2(187.8,-185.43)
  silkscreen extent -374,-551 276,39

## Part data
C1 C13 C29 C31 C32 C40 C41 C55 C56 C69 C70 C77 C78 C101 C102 C104 C107 C109 C111 C112 C126 C127 C136: library part ELECTRO1
C2 C5 C10 C11 C12 C14 C15 C18 C20 C21 C22 C25 C26 C27 C28 C30 C33 C34 C35 C36 C37 C38 C39 C42 C43 C44 C45 C46 C47 C48 C50 C51 C52 C53 C54 C57 C58 C59 C60 C61 C62 C64 C65 C66 C67 C81 C82 C83 C84 C85 C86 C87 C88 C89 C90 C91 C92 C93 C94 C95 C96 C97 C98 C99 C103 C108 C114 C115 C116 C117 C118 C119 C120 C121 C122 C123 C124 C125 C128 C129 C130 C131 C132 C133 C134 C135: library part CAP, "Capacitor"
C3 C4 C6 C7 C8 C9 C16 C17 C19 C23 C24 C49 C63 C68 C71 C72 C73 C74 C75 C76 C79 C80 C100 C105 C106 C110 C113 C137 C138 C140 C141 C142: library part CAP
D2 D5: library part LED, "LED"
J2: library part QMSS-EM-PC4, "SAMTEC QMSS W/PWR PINS"
J3 J5: library part HEADER5X2
J4: library part USB
J6: library part HEADER7X2
J8: "Connector"
L1 L2 L3 L4 L5 L6 L7: library part INDUCTOR1
R1 R2 R3 R4 R5 R6 R7 R8 R9 R10 R11 R12 R13 R14 R15 R16 R17 R18 R19 R20 R21 R22 R23 R24 R25 R26 R27 R28 R29 R30 R31 R32 R33 R34 R35 R36 R37 R38 R39 R40 R41 R42 R43 R44 R45 R46 R47 R56 R57 R58 R59: library part RES, "Resistor"
R48 R49 R50 R51 R52 R53 R54 R55: library part RES1
RN1 RN2 RN3 RN4 RN5: library part "R 4 NET"
TP1 TP3: "Test Point"
TP2: library part "Test point", "Test Point"
U1: "EPCS4 Series, In-system programmable 3.3V serial configuration device, 8-Pin SOIC, 4-Megabit, Industrial Grade"
U2: library part OSC,DIP8
U9: "Cyclone III Family FPGA, 152 I/O Pins, 4 PLLs, 256-Pin FBGA, Speed Grade 6, Commercial Grade"
U10 U17 U23 U24: library part 74ACT125
U12 U28: library part 24LC00
U13: library part CDCLVD110A
U14: library part C5310
U15 U16 U18 U19: library part IDT72V21XX
U22: library part SN74AHC02N, "Quadruple 2-Input Positive-NOR Gate"
U25: library part SN7406N, "Hex Inverter Buffer / Driver with High-Voltage Outputs"
U26 U27: library part LT1963AEQ
U29: library part MSP430F54XX
U30 U33: library part SN75ALS176AD, "Differential Bus Transceiver"
U32: library part ACSL_6210
U44: library part SN54AC14W, "Hex Schmitt-Trigger Inverter"

## Free pads (board coordinates)
  round 50 hole 25: 0(118.11,78.74) 0(118.11,236.22) 0(118.11,551.18) 0(118.11,708.66) 0(275.59,78.74) 0(275.59,236.22) 0(275.59,551.18) 0(275.59,708.66) 1(433.07,78.74) 1(433.07,236.22) 1(433.07,393.7) 1(433.07,551.18) 1(433.07,708.66) 2(590.55,78.74) 2(590.55,236.22) 2(590.55,393.7) 2(590.55,551.18) 2(590.55,708.66) 3(748.03,78.74) 3(748.03,236.22) 3(748.03,393.7) 3(748.03,551.18) 3(748.03,708.66) 4(905.51,78.74) 4(905.51,236.22) 4(905.51,551.18) 4(905.51,708.66) 5(1062.99,78.74) 5(1062.99,236.22) 5(1062.99,551.18) 5(1062.99,708.66)
  round 236.22 hole 118: 0(196.85,393.7) 1(984.25,393.7)
  rect 1170x780 smd: 3(590,390)
  rect 1170x780 smd far side: 3(590,390)
  round 40 smd: ""(1400,2500) ""(1400,4100) ""(2500,1302) ""(2500,2135) ""(3320,1316) ""(3350,2500) ""(3350,4100) ""(3800,3100) ""(4200,2555) ""(4600,4100) ""(5055,1800)

## Via types
v1: diameter 20, hole 10, Top Layer to Bottom Layer, 647 vias
v2: diameter 25, hole 15, Top Layer to Bottom Layer, 352 vias
v3: diameter 20, hole 10, Top Layer to Bottom Layer, tented top, 151 vias
v4: diameter 20, hole 10, Top Layer to Bottom Layer, tented bottom, 1 vias

## Nets (pads, with @x,y where several pads share a name; then routed paths per layer and width w, separated by ;. In a path a pad name is that pad's centre, name@x,y a point inside that pad or via, vN(x,y) a via of type N, cw(c..) or ccw(c..) an arc to the next point about the centre after c; other vN are vias at no path point)
+3.3V: C100.2 J1.PC01 J1.PC02 J2.PC01 J2.PC02 L6.1 | length 1554.6
  Top Layer w20: J1.PC01@4397.21,453.35 4397.21,832.36 J2.PC02@4400,835.16 ; J2.PC01@4400,730 4397.76,732.24 J2.PC02@4397.76,837.4 J2.PC02@4400,835.16 ; C100.2@4915,545.01 4879.99,545.01 4830,595 L6.1@4830,765 4400,765 J2.PC02@4400,835.16
  Bottom Layer w20: J1.PC02@4397.21,453.35 4397.21,736.85 J2.PC01@4397.76,737.4